# Altium PCB mother board.PcbDoc (part 2 of 2)
Units mm, origin at the board's own origin, x right, y up, seen from the top; angles counter-clockwise.
Board outline 217 x 204.11 mm, 2 copper layers (Top Layer, Bottom Layer), stack 0.971 mm thick; 73 components, 64 nets, 423 pads, 459 vias.
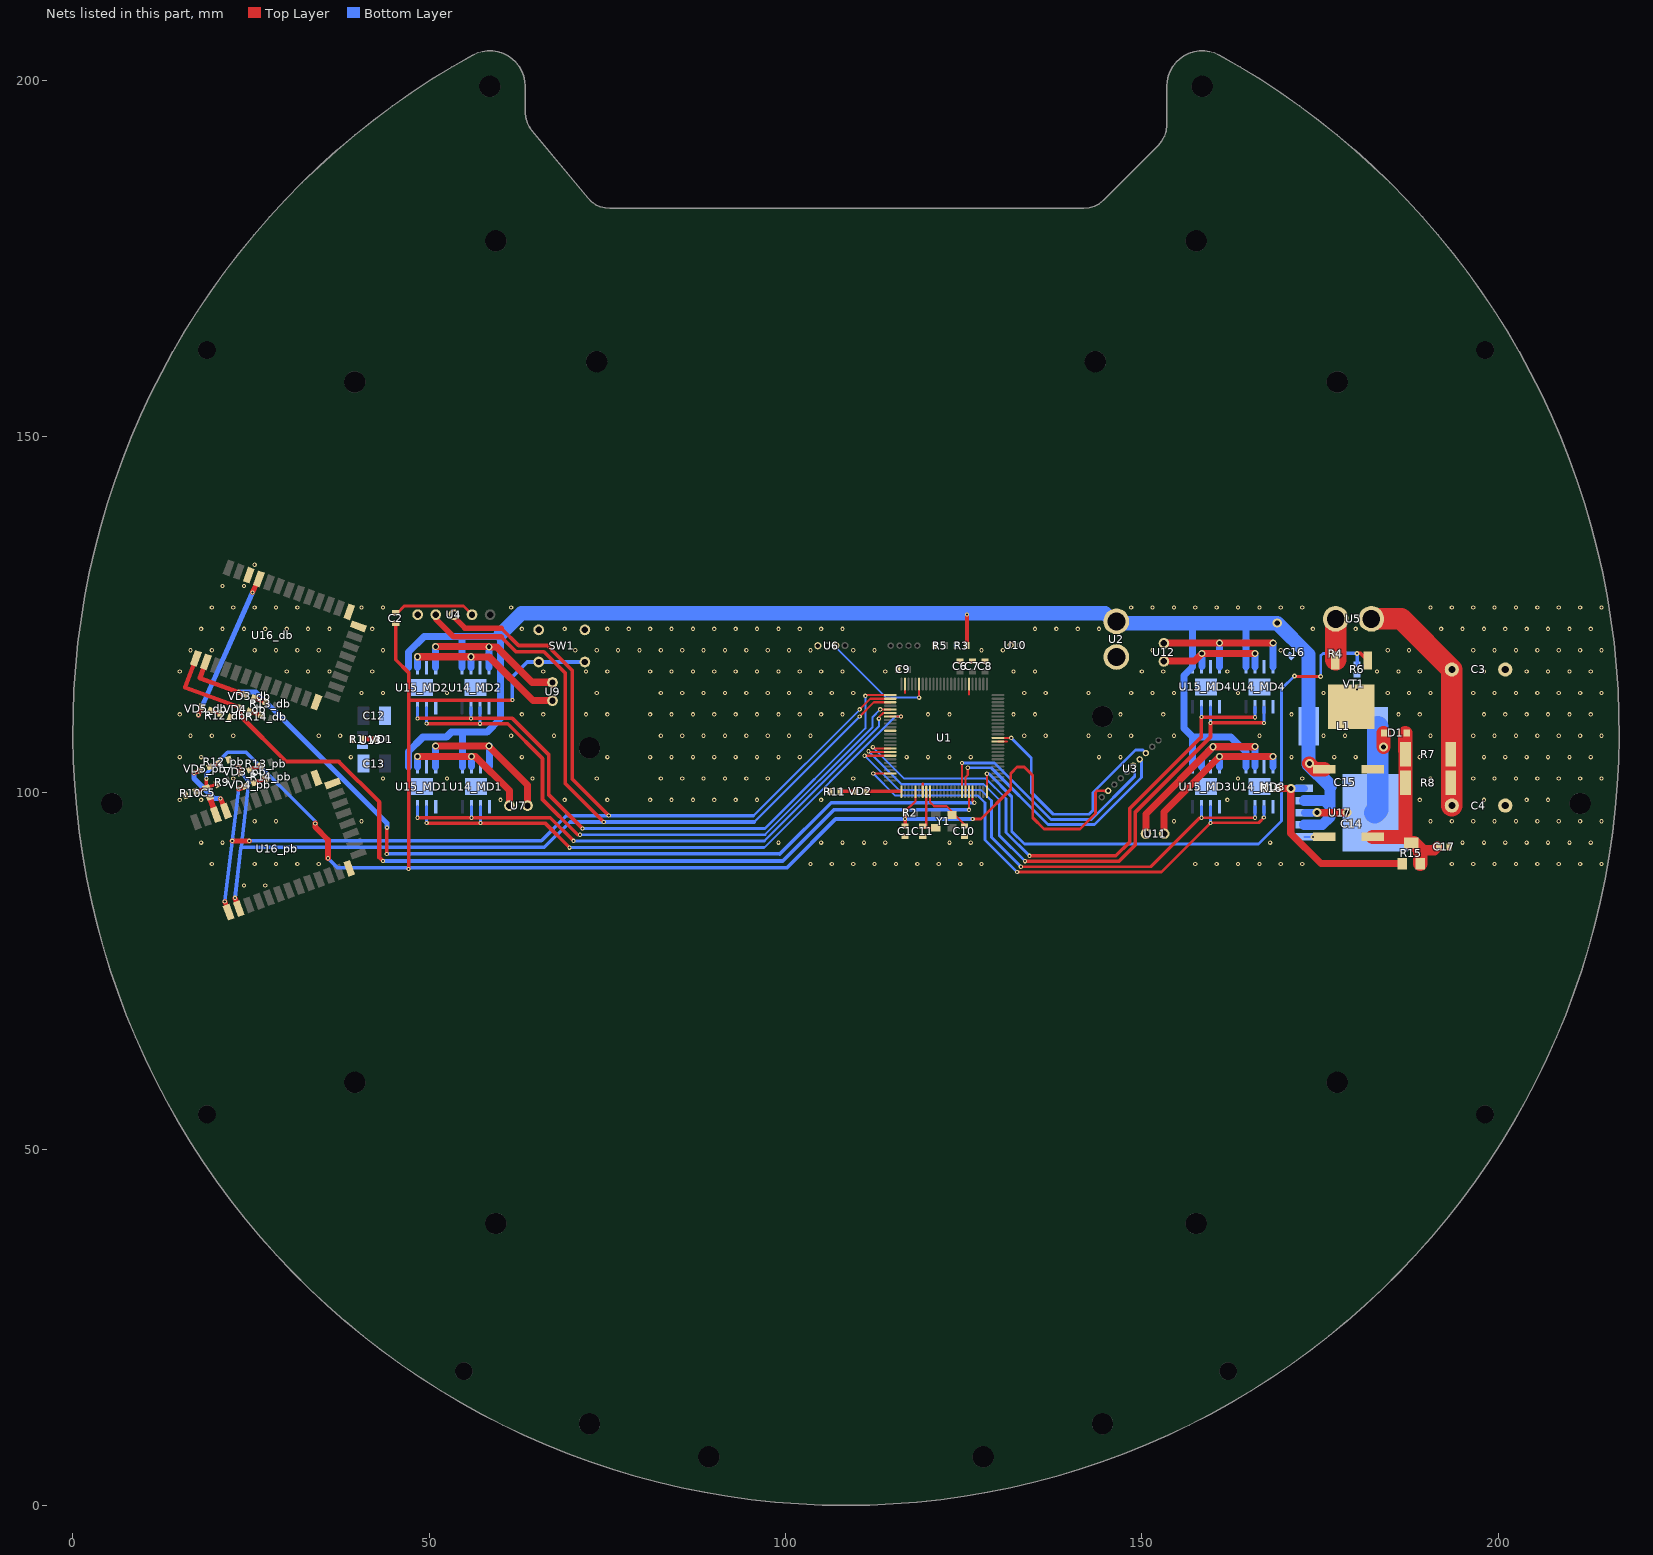
[diagram p2: the nets of this part, all layers, seen from the top]

## Via types
v1: diameter 0.6, hole 0.3, Top Layer to Bottom Layer, tented both sides, 431 vias
v2: diameter 1, hole 0.6, Top Layer to Bottom Layer, tented both sides, 17 vias
v3: diameter 1.27, hole 0.711, Top Layer to Bottom Layer, tented both sides, 6 vias
v4: diameter 0.7, hole 0.3, Top Layer to Bottom Layer, tented both sides, 5 vias

## Nets (pads, with @x,y where several pads share a name; then routed paths per layer and width w, separated by ;. In a path a pad name is that pad's centre, name@x,y a point inside that pad or via, vN(x,y) a via of type N, cw(c..) or ccw(c..) an arc to the next point about the centre after c; other vN are vias at no path point) (continued)
GND: C1.1 C3.2 C4.2 C6.1 C7.1 C8.1 C9.1 C10.1 C11.1 C12.1 C13.1 C14.2 C15.2 C16.2 C17.2 R1.2 R5.1 R6.1 R10.1 R11.2 R12_db.1 R12_pb.1 R16.1 SW1.2 U1.11 U1.32 U1.62 U1.81 U1.99 U2.1 U4.1 U6.4 U10.2 U13.1 U14_MD1.1 U14_MD1.7 U14_MD1.9 U14_MD2.1 U14_MD2.7 U14_MD2.9 U14_MD3.1 U14_MD3.7 U14_MD3.9 U14_MD4.1 U14_MD4.7 U14_MD4.9 U15_MD1.1 U15_MD1.7 U15_MD1.9 U15_MD2.1 U15_MD2.7 U15_MD2.9 U15_MD3.1 U15_MD3.7 U15_MD3.9 U15_MD4.1 U15_MD4.7 U15_MD4.9 U16_db.13 U16_db.21 U16_db.22 U16_pb.13 U16_pb.21 U16_pb.22 U17.1 VT1.3 | length 7.9
  Top Layer w0.3: 116.75,114.021 U1.99@116.75,115.25 ; U1.32@119.25,100.15 119.25,101.313 ; 125.75,113.768 U1.81@125.75,115.25 ; U1.62@129.8,107.2 131.061,107.2 ; v4(174,93.8) C14.2@175.6,93.8
  Bottom Layer w0.3: U17.1@172.8,93.8 v4(174,93.8)
  other v1: 24,87 27,87 19.5,90 25.5,90 28.5,90 31.5,90 34.5,90 103.5,90 106.5,90 109.5,90 112.5,90 115.5,90 118.5,90 121.5,90 124.5,90 127.5,90 157.5,90 160.5,90 163.5,90 166.5,90 169.5,90 172.5,90 193.5,90 196.5,90 199.5,90 202.5,90 205.5,90 208.5,90 211.5,90 214.5,90 18,93 21,93 99,93 105,93 108,93 111,93 114,93 123,93 126,93 168,93 195,93 198,93 201,93 204,93 207,93 210,93 213,93 25.5,96 28.5,96 40.5,96 154.5,96 190.5,96 193.5,96 196.5,96 199.5,96 202.5,96 205.5,96 208.5,96 211.5,96 214.5,96 15,99 18,99 60,99 69,99 75,99 81,99 84,99 87,99 90,99 93,99 96,99 105,99 162,99 189,99 198,99 204,99 207,99 22.5,102 43.5,102 52.5,102 64.5,102 73.5,102 82.5,102 85.5,102 88.5,102 91.5,102 94.5,102 97.5,102 109.5,102 163.5,102 172.5,102 190.5,102 196.5,102 199.5,102 202.5,102 205.5,102 208.5,102 211.5,102 214.5,102 15,105 18,105 39,105 63,105 75,105 81,105 84,105 87,105 90,105 93,105 96,105 99,105 102,105 117,105 120,105 123,105 126,105 144,105 147,105 171,105 177,105 180,105 189,105 198,105 201,105 204,105 207,105 210,105 213,105 16.5,108 19.5,108 22.5,108 34.5,108 37.5,108 61.5,108 67.5,108 82.5,108 85.5,108 88.5,108 91.5,108 94.5,108 97.5,108 100.5,108 103.5,108 133.5,108 136.5,108 142.5,108 145.5,108 148.5,108 154.5,108 166.5,108 175.5,108 178.5,108 190.5,108 196.5,108 199.5,108 202.5,108 205.5,108 208.5,108 211.5,108 214.5,108 15,111 63,111 66,111 72,111 75,111 81,111 84,111 87,111 90,111 93,111 96,111 99,111 102,111 105,111 108,111 120,111 123,111 132,111 135,111 147,111 153,111 171,111 186,111 189,111 198,111 201,111 204,111 207,111 210,111 213,111 40.5,114 43.5,114 52.5,114 73.5,114 82.5,114 85.5,114 88.5,114 91.5,114 94.5,114 97.5,114 100.5,114 103.5,114 106.5,114 109.5,114 133.5,114 136.5,114 142.5,114 148.5,114 151.5,114 154.5,114 163.5,114 175.5,114 184.5,114 187.5,114 190.5,114 196.5,114 199.5,114 202.5,114 205.5,114 208.5,114 211.5,114 214.5,114 15,117 30,117 33,117 36,117 42,117 66,117 72,117 75,117 81,117 84,117 87,117 90,117 93,117 96,117 99,117 102,117 105,117 108,117 114,117 132,117 135,117 150,117 153,117 162,117 183,117 186,117 189,117 198,117 204,117 207,117 210,117 213,117 16.5,120 19.5,120 25.5,120 28.5,120 31.5,120 34.5,120 43.5,120 70.5,120 73.5,120 76.5,120 79.5,120 82.5,120 85.5,120 88.5,120 91.5,120 94.5,120 97.5,120 100.5,120 103.5,120 109.5,120 112.5,120 127.5,120 130.5,120 151.5,120 169.5,120 184.5,120 187.5,120 196.5,120 199.5,120 202.5,120 205.5,120 208.5,120 211.5,120 214.5,120 18,123 21,123 24,123 27,123 30,123 33,123 36,123 42,123 63,123 69,123 75,123 78,123 81,123 84,123 87,123 90,123 93,123 96,123 99,123 102,123 105,123 108,123 135,123 138,123 141,123 144,123 174,123 180,123 192,123 195,123 198,123 201,123 204,123 207,123 210,123 213,123 19.5,126 22.5,126 25.5,126 28.5,126 31.5,126 40.5,126 43.5,126 61.5,126 148.5,126 151.5,126 154.5,126 157.5,126 160.5,126 163.5,126 166.5,126 169.5,126 172.5,126 190.5,126 193.5,126 196.5,126 199.5,126 202.5,126 205.5,126 208.5,126 211.5,126 214.5,126 21,129 24,129 25.5,132
  other v4: 180.2,114.5
IMU_RX: U1.63 U3.8 | length 33.4
  Top Layer w0.3: U1.63@129.8,107.7 v1(131.675,107.7)
  Top Layer w0.4: U3.8@150.569,105.553 U3.8@150.569,105.569
  Bottom Layer w0.4: v1(131.675,107.7) 134.475,104.9 134.475,100.076 137.576,96.975 142.575,96.975 143.15,97.55 143.15,100.025 149.125,106 150.139,106 U3.8@150.569,105.569
IN1_MD1: U1.7 U14_MD1.2 U15_MD1.2 | length 81.7
  Top Layer w0.3: U1.7@114.7,110.7 v1(116.2,110.7)
  Top Layer w0.5: v1(49.635,95.75) v1(57.21,95.75) 66.25,95.75 v1(69.7,92.3)
  Bottom Layer w0.3: 97,92.3 115.4,110.7 v1(116.2,110.7)
  Bottom Layer w0.4: v1(69.7,92.3) 97,92.3
  Bottom Layer w0.45: v1(49.635,95.75) U15_MD1.2@49.635,98.05 ; v1(57.21,95.75) U14_MD1.2@57.21,98.05
IN1_MD2: U1.5 U14_MD2.2 U15_MD2.2 | length 87.2
  Top Layer w0.3: v1(113.3,111.7) U1.5@114.7,111.7
  Top Layer w0.5: v1(49.635,109.705) v1@57.135,109.705 ; v1(57.135,109.7) 61,109.7 65.9,104.8 65.9,99.05 v1@70.85,94.1
  Bottom Layer w0.3: 97.1,94.1 112.2,109.2 112.2,110.6 v1(113.3,111.7)
  Bottom Layer w0.4: v1(71.15,94.1) 97.1,94.1
  Bottom Layer w0.45: v1(49.635,109.705) U15_MD2.2@49.635,111.95 ; v1(57.135,109.7) U14_MD2.2@57.135,111.95
IN1_MD3: U1.23 U14_MD3.2 U15_MD3.2 | length 73
  Top Layer w0.3: v1(112.3,102.7) U1.23@114.7,102.7
  Top Layer w0.4: v1(132.5,88.875) 152.76,88.875 v1(159.635,95.75) 159.69,95.805 159.694,95.8 166.4,95.8 v1(167.125,96.525)
  Bottom Layer w0.3: v1(112.3,102.7) 115.4,99.6 127,99.6 128,98.6
  Bottom Layer w0.4: 128,98.6 128,93.375 v1(132.5,88.875)
  Bottom Layer w0.45: v1(159.635,95.75) U15_MD3.2@159.635,98.05 ; v1(167.125,96.525) 167.125,98.04 U14_MD3.2@167.135,98.05
IN1_MD4: U1.17 U14_MD4.2 U15_MD4.2 | length 84.3
  Top Layer w0.3: v1(111.65,105.825) 111.775,105.7 U1.17@114.7,105.7
  Top Layer w0.4: 146.813,90.413 146.825,90.4
  Top Layer w0.5: v1(133.6,90.4) 146.825,90.4 ; 146.813,90.413 149.1,92.7 149.1,97.3 159.633,107.833 v1(159.633,109.805) 159.638,109.8 v1(167.135,109.8)
  Bottom Layer w0.3: v1(111.65,105.825) 116.275,101.2 127.8,101.2 130,99
  Bottom Layer w0.4: 130,99 130,94 v1(133.6,90.4)
  Bottom Layer w0.45: v1@159.585,109.8 159.635,109.85 U15_MD4.2@159.635,112.05 ; v1(167.135,109.8) U14_MD4.2@167.135,112.05
IN2_MD1: U1.6 U14_MD1.3 U15_MD1.3 | length 79
  Top Layer w0.3: v1(113.1,110.4) 113.1,110.6 113.7,111.2 U1.6@114.7,111.2
  Top Layer w0.5: v1(48.365,96.5) v1(55.94,96.5) 67,96.5 v1(70.25,93.25)
  Bottom Layer w0.3: 97.05,93.25 113.1,109.3 v1(113.1,110.4)
  Bottom Layer w0.4: v1(70.25,93.25) 97.05,93.25
  Bottom Layer w0.45: v1(48.365,96.5) U15_MD1.3@48.365,98.05 ; v1(55.94,96.5) U14_MD1.3@55.94,98.05
IN2_MD2: U1.1 U14_MD2.3 U15_MD2.3 | length 89.5
  Top Layer w0.3: v1(111.2,113.6) 111.3,113.7 U1.1@114.7,113.7
  Top Layer w0.5: v1(48.365,110.425) v1(55.865,110.425) 61.675,110.425 66.8,105.3 66.8,99.675 v1(71.5,94.975)
  Bottom Layer w0.3: 97.1,94.975 97.115,94.975 111.2,109.06 v1(111.2,113.6)
  Bottom Layer w0.4: v1(71.5,94.975) 97.1,94.975
  Bottom Layer w0.45: v1(48.365,110.425) U15_MD2.3@48.365,111.95 ; v1(55.865,110.425) U14_MD2.3@55.865,111.95
IN2_MD3: U1.18 U14_MD3.3 U15_MD3.3 | length 73.8
  Top Layer w0.3: v1(111.1,105.2) U1.18@114.7,105.2
  Top Layer w0.4: v1(133.025,89.625) 151.24,89.625 158.115,96.5 v1(158.365,96.5) v1(165.865,96.5)
  Bottom Layer w0.3: v1(111.1,105.2) 115.9,100.4 127.4,100.4 128.9,98.9
  Bottom Layer w0.4: 128.9,98.9 128.9,93.75 v1(133.025,89.625)
  Bottom Layer w0.45: v1(158.365,96.5) U15_MD3.3@158.365,98.05 ; v1(165.865,96.5) U14_MD3.3@165.865,98.05
IN2_MD4: U1.16 U14_MD4.3 U15_MD4.3 | length 80.7
  Top Layer w0.3: v1@112.237,106.388 v1@112.25,106.375 ; v1(112.25,106.4) v1@112.25,106.375 ; U1.16@114.7,106.2 112.425,106.2 v1@112.25,106.375
  Top Layer w0.5: v1(134.225,91.15) 146.35,91.15 148.3,93.1 148.3,97.8 158.365,107.865 158.365,110.5 v1@158.39,110.5 ; v1@158.39,110.6 v1(165.865,110.6)
  Bottom Layer w0.3: v1(112.25,106.4) 116.675,101.975 128.125,101.975 130.95,99.15
  Bottom Layer w0.4: 130.95,99.15 130.95,94.425 v1(134.225,91.15)
  Bottom Layer w0.45: v1@158.365,110.525 v1(158.365,110.625) U15_MD4.3@158.365,112.05 ; v1@165.865,110.5 v1(165.865,110.6) U14_MD4.3@165.865,112.05
KICK: R4.1 U1.50 | length 81.4
  Top Layer w0.3: U1.50@128.25,100.15 v1(128.25,102.669)
  Top Layer w0.4: v4(171.4,116.4) 171.5,116.3 v4(175.1,116.3)
  Bottom Layer w0.4: v1(128.25,102.669) 128.531,102.669 131.75,99.45 131.75,94.575 133.525,92.8 166.375,92.8 169.6,96.025 169.6,114.6 v4(171.4,116.4) ; v4(175.1,116.3) 175.1,119.25 175.4,119.55 R4.1@176.46,119.55
KICK_VDD: C3.1 C4.1 R7.2 R8.2 U5.1 | length 33.3
  Top Layer w3: U5.1@182.2,124.4 186.4,124.4 C3.1@193.5,117.3 C4.1@193.5,98.2
KICK_VSS: U5.2 VT1.2 | length 5.8
  Top Layer w3: VT1.2@177.2,118.64 U5.2@177.2,124.4
LED13: U1.26 VD2.1 | length 5
  Top Layer w0.4: U1.26@116.15,100.2 U1.26@116.2,100.15
  Top Layer w0.5: VD2.1@111.2,100.2 U1.26@116.15,100.2
NetC2_1: C2.1 U4.4 | length 11.6
  Top Layer w0.4: C2.1@45.3,125.24 45.54,125.24 46.5,126.2 54.8,126.2 U4.4@56,125
NetC5_1: C5.1 U16_pb.32 | length 2.7
  Top Layer w0.8: C5.1@19.214,99.367 U16_pb.32@20.064,96.948 U16_pb.32@20.064,97.101
NetD1_1: D1.1 L1.2 U17.3 | length 20.2
  Top Layer w1: v3(174.6,97.2) v3(178.8,97.2)
  Top Layer w2: v3(183.9,106.45) D1.1@183.9,108.4
  Bottom Layer w1: U17.3@172.8,97.2 v3(174.6,97.2)
  Bottom Layer w3: U17.3@182.7,97.2 183.1,97.6 L1.2@183.1,109.3
NetR1_1: R1.1 VD1.2 | length 2
  Top Layer w0.7: R1.1@40.592,107.52 VD1.2@42.567,107.52
NetR4_2: R4.2 R6.2 VT1.1 | length 5.7
  Top Layer w0.5: v4(180.2,119.56) 180.68,119.56 VT1.1@181.69,118.55
  Bottom Layer w0.5: R4.2@177.94,119.55 180.19,119.55 v4(180.2,119.56) R6.2@180.2,118.04
NetR11_1: R11.1 VD2.2 | length 2.2
  Top Layer w0.5: R11.1@107.58,100.2 VD2.2@109.8,100.2
NetR12_db_2: R12_db.2 VD5_db.2 | length 1.4
  Top Layer w0.5: VD5_db.2@19.38,111.561 R12_db.2@20.705,111.078
NetR12_pb_2: R12_pb.2 VD5_pb.2 | length 1.4
  Top Layer w0.5: VD5_pb.2@19.208,103.632 R12_pb.2@20.5,104.118
NetR13_db_2: R13_db.2 VD3_db.2 | length 1.7
  Top Layer w0.7: VD3_db.2@25.456,113.306 R13_db.2@27.028,112.724
NetR13_pb_2: R13_pb.2 VD3_pb.2 | length 1.7
  Top Layer w0.7: VD3_pb.2@24.808,103.214 R13_pb.2@26.362,103.786
NetR14_db_2: R14_db.2 VD4_db.2 | length 1.7
  Top Layer w0.7: VD4_db.2@24.808,111.472 R14_db.2@26.405,110.889
NetR14_pb_2: R14_pb.2 VD4_pb.2 | length 1.7
  Top Layer w0.7: VD4_pb.2@25.475,101.386 R14_pb.2@27.037,101.961
NetR15_1: R15.1 R16.2 U17.5 | length 27.4
  Top Layer w1: R16.2@169.14,100.6 v3(170.9,100.6) 170.9,94.3 175.148,90.052 R15.1@186.55,90.052
  Bottom Layer w1: v3(170.9,100.6) U17.5@172.8,100.6
NetU16_db_31: U16_db.31 VD5_db.1 | length 22.7
  Top Layer w0.7: v1(17.6,110.9) VD5_db.1@18.064,112.039 ; v1(25.2,128.1) U16_db.31@26.09,130.013 26.09,129.757 U16_db.31@25.9,129.567
  Bottom Layer w0.7: v1(17.6,110.9) v1(25.2,128.1)
NetU16_db_32: U16_db.32
NetU16_pb_31: U16_pb.31 VD5_pb.1 | length 8.5
  Top Layer w0.7: v1(17,102.8) VD5_pb.1@17.892,103.153 ; v1(20.705,99.2) U16_pb.31@21.473,97.461
  Bottom Layer w0.7: v1(17,102.8) 17,102 19.8,99.2 v1(20.705,99.2)
OUT1_MD1: U7.1 U14_MD1.6 U15_MD1.6 | length 19.9
  Top Layer w1: v2@48.38,105.1 56.455,105.1 61.255,100.3 U7.1@61.255,98.2
  Bottom Layer w0.45: U14_MD1.6@55.932,103.65 U14_MD1.6@55.94,103.658
  Bottom Layer w1: U15_MD1.6@48.365,103.65 v2(48.365,105.085) ; U14_MD1.6@55.94,103.658 v2(55.94,105.1)
OUT1_MD2: U9.1 U14_MD2.6 U15_MD2.6 | length 24.5
  Top Layer w1: v2(48.365,119.077) v2(55.857,119.077) ; v2@55.857,119.075 58.403,119.075 64.548,112.93 U9.1@67.3,112.93
  Bottom Layer w1: U15_MD2.6@48.365,117.55 v2(48.365,119.077) ; U14_MD2.6@55.857,117.55 v2(55.857,119.077)
OUT1_MD3: U11.1 U14_MD3.6 U15_MD3.6 | length 28.3
  Top Layer w1: U11.1@150.58,94.25 150.58,97.03 v2(160,106.45) 165.85,106.45 v2(165.875,106.475)
  Bottom Layer w0.45: U14_MD3.6@165.865,103.65 U14_MD3.6@165.875,103.66
  Bottom Layer w1: U15_MD3.6@158.365,103.65 158.365,104.815 v2(160,106.45) ; U14_MD3.6@165.875,103.66 v2@165.875,106.45
OUT1_MD4: U12.1 U14_MD4.6 U15_MD4.6 | length 17.1
  Top Layer w0.45: v2@158.425,119.5 158.425,119.545 v2@158.43,119.55
  Top Layer w1: U12.1@153.1,118.43 153.17,118.5 157.375,118.5 v2(158.425,119.55) ; v2@158.43,119.55 v2(165.865,119.55)
  Bottom Layer w0.45: U15_MD4.6@158.365,117.65 U15_MD4.6@158.425,117.71 ; v2@158.365,119.56 v2@158.425,119.5
  Bottom Layer w1: U15_MD4.6@158.425,117.71 v2@158.425,119.5 ; U14_MD4.6@165.865,117.65 v2@165.865,119.5
OUT2_MD1: U7.2 U14_MD1.8 U15_MD1.8 | length 23.8
  Top Layer w1: v2(50.9,106.56) 58.34,106.56 63.795,101.105 U7.2@63.795,98.2
  Bottom Layer w0.45: U15_MD1.8@50.9,103.655 U15_MD1.8@50.905,103.65
  Bottom Layer w1: U15_MD1.8@50.9,103.655 v2(50.9,106.56) ; U14_MD1.8@58.475,103.678 v2@58.475,106.55
  other v2: 58.375,106.55
OUT2_MD2: U9.2 U14_MD2.8 U15_MD2.8 | length 24.3
  Top Layer w1: v2(50.905,120.5) v2@58.375,120.5 ; v2(58.397,120.478) 59.447,120.478 64.425,115.5 U9.2@67.3,115.5
  Bottom Layer w1: U15_MD2.8@50.905,117.55 v2(50.905,120.5) ; U14_MD2.8@58.397,117.55 v2(58.397,120.478)
OUT2_MD3: U11.2 U14_MD3.8 U15_MD3.8 | length 24.4
  Top Layer w1: U11.2@153.12,94.25 153.12,97.295 153.75,97.925 153.75,97.92 v2(160.905,105.075) v2(168.405,105.075)
  Bottom Layer w0.45: v2(168.405,105.075) v2@168.405,105.1
  Bottom Layer w1: U15_MD3.8@160.905,103.65 v2@160.905,105.05 ; U14_MD3.8@168.405,103.65 v2(168.405,105.075)
OUT2_MD4: U12.2 U14_MD4.8 U15_MD4.8 | length 22.1
  Top Layer w1: U12.2@153.1,120.97 153.13,121 v2(160.9,121) v2(168.425,121)
  Bottom Layer w0.45: U15_MD4.8@160.875,117.68 U15_MD4.8@160.905,117.65 ; U14_MD4.8@168.405,117.65 168.4,117.655 U14_MD4.8@168.425,117.68 ; v2(168.425,121) v2@168.425,121.075
  Bottom Layer w1: U15_MD4.8@160.9,117.68 v2(160.9,121) ; U14_MD4.8@168.425,117.68 v2(168.425,121)
RESET: C1.2 C2.2 C5.2 R2.1 R9.1 R10.2 SW1.1 U1.30 U3.2 | length 229.6
  Top Layer w0.3: R2.1@116.77,97.1 116.77,97.36 118.25,98.84 U1.30@118.25,100.15
  Top Layer w0.4: v1(126.255,96.32) 127.42,96.32 131.6,100.5 131.6,102.7 132.5,103.6 133.5,103.6 134.7,102.4 134.7,96.493 136.293,94.9 141.307,94.9 143.481,97.073 143.481,100.057 143.706,100.282 144.755,100.282 144.773,100.264 145.264,100.264 U3.2@145.264,100.281
  Top Layer w0.5: R10.2@17.183,100.139 R10.2@17.22,100.153 C5.2@18.735,100.683 ; v1(18.736,101.975) C5.2@18.736,100.683 ; R9.1@20.292,101.236 R9.1@20.255,101.222 18.737,100.683 C5.2@18.736,100.683 ; C2.2@45.3,123.76 45.3,118.675 47.1,116.875 47.1,113 ; v1(47.1,89.3) 47.1,113 ; v1(61.675,113) 47.1,113 ; C1.2@116.77,95.32 C1.2@116.77,95.34 v1(116.77,96.32) R2.1@116.77,97.1
  Top Layer w0.8: v1(34,95.7) 34,95.181 35.8,93.381 v1(35.8,90.8)
  Bottom Layer w0.5: v1(18.736,101.975) 18.736,102.736 21.7,105.7 24.3,105.7 34,96 v1(34,95.7) ; v1(35.8,90.8) 37.15,89.45 100.15,89.45 107.02,96.32 v1(116.77,96.32) v1(126.255,96.32) ; v1(61.675,113) 61.675,116.275 63.75,118.35 SW1.1@65.35,118.35 SW1.1@71.85,118.35
RX: U1.2 U4.3 U16_pb.1 VD4_pb.1 | length 161.7
  Top Layer w0.3: v1(110.4,111.7) 111.9,113.2 U1.2@114.7,113.2
  Top Layer w0.5: U4.3@53.46,124.64 U4.3@53.46,125 ; 60.1,123.1 62.54,120.66 66.54,120.66 70.1,117.1 70.1,101.9 v1(75.2,96.8)
  Top Layer w0.7: v1(21.312,84.736) U16_pb.1@21.862,83.236 ; v1(22.358,93.25) v1(24.75,93.25)
  Top Layer w0.8: v1(23.259,100.582) VD4_pb.1@24.159,100.907 ; U4.3@53.46,124.64 55,123.1 60.1,123.1
  Bottom Layer w0.3: 95.5,96.75 110.4,111.65 v1(110.4,111.7)
  Bottom Layer w0.5: v1(21.312,84.736) v1(22.358,93.25) v1(23.259,100.582) ; v1(24.75,93.25) 65.75,93.25 69.25,96.75 95.5,96.75
RX1: U1.45 U16_db.1 VD4_db.1 | length 134.5
  Top Layer w0.3: v1(125.75,97.6) U1.45@125.75,100.15
  Top Layer w0.6: U16_db.1@17.245,118.866 15.75,114.775 VD4_db.1@23.492,111.951 23.492,110.808 29.903,104.397 ; 29.903,104.394 37.289,104.394 43,98.683 43,90.925 v1(43.5,90.425)
  Bottom Layer w0.5: v1(43.5,90.425) 99.625,90.425 106.8,97.6 v1(125.75,97.6)
SCL: U1.43 U3.6 | length 35.6
  Top Layer w0.3: U1.43@124.75,100.15 v1(124.75,104.175)
  Bottom Layer w0.4: v1(124.75,104.175) 129.325,104.175 137.25,96.25 142.925,96.25 149,102.325 149,103.6 U3.6@148.8,103.8
SDA: U1.44 U3.7 | length 36.5
  Top Layer w0.3: U1.44@125.25,100.15 125.25,102.175 125.575,102.5 v1(125.575,103.5)
  Bottom Layer w0.4: v1(125.575,103.5) 128.875,103.5 136.825,95.55 143.35,95.55 149.95,102.15 149.95,104.375 U3.7@149.662,104.663
TRIGGER: U1.95 U6.2 | length 16.7
  Top Layer w0.3: v1(118.75,113.35) U1.95@118.75,115.25
  Bottom Layer w0.3: U6.2@107.07,120.65 107.07,120.43 114.15,113.35 v1(118.75,113.35)
TX: U1.3 U4.2 U16_pb.2 VD3_pb.1 | length 166
  Top Layer w0.3: v1(110.4,110.7) 112.4,112.7 U1.3@114.7,112.7
  Top Layer w0.5: U4.2@50.92,124.38 U4.2@50.92,125 ; 60.078,121.9 62.178,119.8 66.1,119.8 69.1,116.8 69.1,101.3 v1(74.5,95.9)
  Top Layer w0.7: v1(22.746,85.249) U16_pb.2@23.271,83.749
  Top Layer w0.8: v1(23.192,103.561) VD3_pb.1@23.492,102.736 ; U4.2@50.92,124.38 53.4,121.9 60.078,121.9
  Bottom Layer w0.3: v1@23.175,103.409 v1(23.192,103.561) ; 23.583,92.25 23.595,92.35 23.583,92.35 ; 95.6,95.9 v1(110.4,110.7)
  Bottom Layer w0.5: v1(22.746,85.249) 23.583,92.25 ; v1@23.175,103.409 24.688,101.5 23.595,92.35 66.125,92.35 69.739,95.86 ; 69.778,95.9 95.6,95.9
TX1: U1.46 U16_db.2 VD3_db.1 | length 129.1
  Top Layer w0.3: v1(44.039,91.414) v1@44.064,91.439 ; U1.46@126.25,100.15 126.25,98.75 126.45,98.55 v1@126.5,98.5
  Top Layer w0.5: v1@44.064,91.439 v1(44.064,95.1)
  Top Layer w0.7: U16_db.2@18.654,118.353 17.85,116.075 v1(23.25,114.109) VD3_db.1@24.14,113.785
  Bottom Layer w0.5: v1(44.039,91.414) 99.186,91.414 99.2,91.4 106.4,98.6 v1(126.5,98.6)
  Bottom Layer w0.7: v1(23.25,114.109) 25.691,114.109 44.064,95.736 v1(44.064,95.1)
VMotor_MD1: C15.1 C16.1 L1.1 R3.2 U2.2 U14_MD1.5 U14_MD2.5 U14_MD3.5 U14_MD4.5 U15_MD1.5 U15_MD2.5 U15_MD3.5 U15_MD4.5 U17.2 U17.4 | length 247
  Top Layer w0.6: R3.2@125.39,120.65 R3.2@125.4,120.66 ; R3.2@125.45,120.66 v1(125.45,125)
  Top Layer w2: v3(173.5,104.1) 174.3,103.3 C15.1@175.6,103.3
  Bottom Layer w1: U15_MD1.5@47.095,103.65 47.095,105.795 49.1,107.8 52.4,107.8 53.1,108.5 58.095,108.5 60.02,110.425 60,110.425 60,121.9 54.587,121.9 ; U15_MD2.5@47.095,117.55 47.095,119.73 49.265,121.9 54.587,121.9 ; U14_MD2.5@54.587,117.55 54.587,121.9 ; U14_MD1.5@54.662,103.65 54.662,108.125 ; U15_MD3.5@157.095,103.65 157.095,107.8 ; 157.095,123.795 U15_MD4.5@157.095,117.65 155.9,116.455 155.9,109.05 157.095,107.855 157.095,107.8 ; U14_MD3.5@164.595,103.65 164.595,105.715 162.51,107.8 157.095,107.8 ; U14_MD4.5@164.595,117.65 164.595,123.795 164.6,123.8
  Bottom Layer w1.5: U17.2@172.8,95.5 175.3,95.5 176.4,96.6 176.4,98.1 ; U17.4@172.8,98.9 175.6,98.9 176.4,98.1 ; 176.4,101 176.4,98.1
  Bottom Layer w2: 60,122.25 62.95,125.2 125.7,125.2 144.825,125.2 146.425,123.6 146.625,123.6 146.82,123.795 157.095,123.795 ; 157.095,123.8 164.6,123.8 v3(169,123.8) 173.4,119.4 L1.1@173.4,109.3 173.4,104 176.4,101
VOUT: C14.1 C17.1 D1.2 R7.1 R8.1 R15.2 R15.3 | length 26.7
  Top Layer w1.5: 186.952,93.8 187.012,93.74 R15.2@187.8,92.952 ; 189.05,91.95 191.02,91.95 C17.1@191.47,92.4
  Top Layer w2: C14.1@182.4,93.8 186.952,93.8 ; D1.2@186.975,108.4 186.975,105.937 187.012,105.9 R7.1@187.012,105.4 R8.1@187.012,101.4 R15.2@187.012,93.74 ; R15.2@187.8,92.952 188.148,92.952 189.1,92 189.05,91.95 R15.3@189.05,90.052
XTAL1: C10.2 U1.34 Y1.1 | length 8.1
  Top Layer w0.3: U1.34@120.25,100.15 120.25,98.7 120.85,98.1 122.6,98.1 125.1,95.6 C10.2@125.1,95.08
XTAL2: C11.2 U1.33 Y1.2 | length 6.9
  Top Layer w0.3: C11.2@119.25,95.08 C11.2@119.7,95.08 ; U1.33@119.75,100.15 119.75,95.13 C11.2@119.7,95.08 ; Y1.2@121.063,95.09 121.053,95.08 C11.2@119.7,95.08
pads on no net: C14. C15. U1.4 U1.8 U1.9 U1.12 U1.13 U1.14 U1.15 U1.19 U1.20 U1.21 U1.22 U1.24 U1.25 U1.27 U1.28 U1.29 U1.35 U1.36 U1.37 U1.38 U1.39 U1.40 U1.41 U1.42 U1.47 U1.48 U1.49 U1.51 U1.52 U1.53 U1.54 U1.55 U1.56 U1.64 U1.65 U1.66 U1.67 U1.68 U1.69 U1.70 U1.71 U1.72 U1.73 U1.74 U1.76 U1.77 U1.78 U1.79 U1.82 U1.83 U1.84 U1.85 U1.87 U1.92 U1.93 U1.96 U1.97 U16_db.3 U16_db.4 U16_db.5 U16_db.6 U16_db.7 U16_db.8 U16_db.9 U16_db.10 U16_db.11 U16_db.14 U16_db.15 U16_db.16 U16_db.17 U16_db.18 U16_db.19 U16_db.20 U16_db.23 U16_db.24 U16_db.25 U16_db.26 U16_db.27 U16_db.28 U16_db.29 U16_db.30 U16_db.33 U16_db.34 U16_pb.3 U16_pb.4 U16_pb.5 U16_pb.6 U16_pb.7 U16_pb.8 U16_pb.9 U16_pb.10 U16_pb.11 U16_pb.14 U16_pb.15 U16_pb.16 U16_pb.17 U16_pb.18 U16_pb.19 U16_pb.20 U16_pb.23 U16_pb.24 U16_pb.25 U16_pb.26 U16_pb.27 U16_pb.28 U16_pb.29 U16_pb.30 U16_pb.33 U16_pb.34 VT1. Y1.

## Polygon pours and split planes (outlines as drawn)
GND on Bottom Layer "bottom gnd" (solid, pour order 0): 201.251,127.632 21.243,135 14,116 14,99.382 23.767,71.898 199.989,87.521 219.95,87.521 217.914,127.632
GND on Top Layer "top gnd" (solid, pour order 4): 201.251,127.632 21.243,135 14,116 14,99.382 23.767,71.898 199.989,87.521 219.95,87.521 217.914,127.632

## Keep-outs
Keep-Out Layer:
  lines w0.5: -0.013,107.768 0.016,111.095 0.147,114.419 0.379,117.739 0.713,121.049 1.149,124.348 1.685,127.632 2.322,130.897 3.059,134.142 3.894,137.363 4.829,140.556 5.86,143.719 6.988,146.85 8.212,149.944 9.53,152.999 10.941,156.012 12.444,158.981 14.037,161.902 15.719,164.773 17.488,167.591 19.342,170.353 21.281,173.058 23.301,175.701 25.402,178.282 27.581,180.796 29.836,183.243 32.165,185.62 34.565,187.924 37.035,190.153 39.572,192.305 42.175,194.379 44.839,196.372 47.563,198.282 50.345,200.108 53.181,201.847 56.07,203.499 56.743,203.808 57.454,204.014 58.187,204.113 58.928,204.102 59.658,203.982 60.363,203.755 61.027,203.427 61.635,203.005 62.174,202.497 62.632,201.915 62.999,201.272 63.267,200.582 63.43,199.86 63.485,199.121 63.485,195.448 63.545,194.757 63.724,194.086 64.016,193.457 64.412,192.887 72.286,183.439 72.779,182.943 73.351,182.54 73.985,182.243 74.661,182.061 75.359,182 141.828,182 142.609,182.077 143.359,182.304 144.05,182.674 144.657,183.172 152.313,190.828 152.811,191.435 153.181,192.126 153.408,192.876 153.485,193.657 153.485,199.121 153.54,199.86 153.703,200.582 153.971,201.272 154.338,201.915 154.796,202.497 155.335,203.005 155.943,203.427 156.607,203.755 157.312,203.982 158.042,204.102 158.783,204.113 159.516,204.014 160.228,203.808 160.9,203.499 163.789,201.847 166.625,200.108 169.407,198.282 172.131,196.372 174.795,194.379 177.398,192.305 179.935,190.153 182.405,187.924 184.806,185.62 187.134,183.243 189.389,180.796 191.568,178.282 193.669,175.701 195.689,173.058 197.628,170.353 199.482,167.591 201.251,164.773 202.933,161.902 204.526,158.981 206.029,156.012 207.44,152.999 208.758,149.944 209.982,146.85 211.11,143.719 212.141,140.556 213.076,137.363 213.911,134.142 214.648,130.897 215.285,127.632 215.821,124.348 216.257,121.049 216.591,117.739 216.823,114.419 216.954,111.095 216.983,107.768 216.909,104.441 216.734,101.118 216.456,97.803 216.078,94.497 215.598,91.204 215.017,87.928 214.336,84.671 213.556,81.437 212.676,78.228 211.699,75.047 210.625,71.898 209.455,68.784 208.189,65.706 206.83,62.669 205.379,59.675 203.836,56.727 202.204,53.828 200.483,50.98 198.676,48.186 196.784,45.449 194.81,42.771 192.754,40.155 190.618,37.603 188.406,35.118 186.118,32.702 183.757,30.357 181.326,28.086 178.826,25.89 176.26,23.772 173.63,21.734 170.939,19.777 168.189,17.904 165.383,16.116 162.523,14.414 159.613,12.802 156.655,11.279 153.651,9.848 150.605,8.509 147.519,7.265 144.396,6.115 141.24,5.062 138.053,4.107 134.838,3.249 131.599,2.49 128.337,1.832 125.057,1.273 121.761,0.815 118.453,0.459 115.136,0.204 111.812,0.051 108.485,0 105.158,0.051 101.834,0.204 98.517,0.459 95.209,0.815 91.913,1.273 88.633,1.832 85.371,2.49 82.132,3.249 78.917,4.107 75.73,5.062 72.574,6.115 69.451,7.265 66.365,8.509 63.319,9.848 60.315,11.279 57.357,12.802 54.447,14.414 51.587,16.116 48.781,17.904 46.031,19.777 43.34,21.734 40.71,23.772 38.144,25.89 35.644,28.086 33.213,30.357 30.852,32.702 28.564,35.118 26.352,37.603 24.217,40.155 22.16,42.771 20.186,45.449 18.294,48.186 16.487,50.98 14.766,53.828 13.134,56.727 11.591,59.675 10.14,62.669 8.781,65.706 7.515,68.784 6.345,71.898 5.271,75.047 4.294,78.228 3.414,81.437 2.634,84.671 1.953,87.928 1.372,91.204 0.892,94.497 0.514,97.803 0.236,101.118 0.061,104.441 -0.013,107.768 ; 15.468,140.194 15.505,139.413 15.663,138.647 15.939,137.915 16.326,137.236 16.814,136.624 17.391,136.097 18.043,135.666 18.755,135.341 40.016,127.603 41.13,127.27 42.275,127.068 43.436,127 200.267,127 200.923,127.054 201.561,127.215 202.164,127.478 202.715,127.837 203.201,128.281 203.607,128.798 203.923,129.375 204.139,129.997 204.252,130.645 204.256,131.303 204.152,131.952 203.265,135.314 202.26,138.641 201.138,141.932 199.901,145.18 198.549,148.383 198.128,149.204 197.614,149.97 197.016,150.673 196.341,151.302 195.598,151.849 194.797,152.307 193.949,152.669 193.064,152.932 192.156,153.091 191.234,153.144 178.171,153.144 177.126,153.212 176.1,153.417 175.109,153.753 174.171,154.216 173.3,154.797 172.514,155.487 167.344,160.657 166.557,161.347 165.687,161.928 164.749,162.391 163.758,162.727 162.731,162.932 161.687,163 151.985,163 151.54,162.95 151.117,162.802 150.738,162.564 150.421,162.247 150.183,161.868 150.035,161.445 149.985,161 149.985,160.5 149.924,159.805 149.744,159.132 149.449,158.5 149.049,157.929 148.556,157.436 147.985,157.036 147.353,156.741 146.68,156.561 145.985,156.5 140.985,156.5 140.29,156.561 139.617,156.741 138.985,157.036 138.414,157.436 137.921,157.929 137.521,158.5 137.226,159.132 137.046,159.805 136.985,160.5 136.985,166 136.924,166.695 136.744,167.368 136.449,168 136.049,168.571 135.556,169.064 134.985,169.464 134.353,169.759 133.68,169.939 132.985,170 83.985,170 83.29,169.939 82.617,169.759 81.985,169.464 81.414,169.064 80.921,168.571 80.521,168 80.226,167.368 80.046,166.695 79.985,166 79.985,160.5 79.924,159.805 79.744,159.132 79.449,158.5 79.049,157.929 78.556,157.436 77.985,157.036 77.353,156.741 76.68,156.561 75.985,156.5 70.985,156.5 70.29,156.561 69.617,156.741 68.985,157.036 68.414,157.436 67.921,157.929 67.521,158.5 67.226,159.132 67.046,159.805 66.985,160.5 66.985,161 66.935,161.445 66.787,161.868 66.549,162.247 66.232,162.564 65.853,162.802 65.43,162.95 64.985,163 55.283,163 54.239,162.932 53.212,162.727 52.221,162.391 51.283,161.928 50.413,161.347 49.626,160.657 44.456,155.487 43.67,154.797 42.799,154.216 41.861,153.753 40.87,153.417 39.844,153.212 38.799,153.144 25.736,153.144 24.814,153.091 23.906,152.932 23.021,152.669 22.173,152.307 21.372,151.849 20.629,151.302 19.954,150.673 19.356,149.97 18.842,149.204 18.421,148.383 17.029,145.079 15.758,141.727 15.553,140.972 15.468,140.194 ; 16.205,75.33 16.209,74.609 16.316,73.895 16.526,73.205 18.421,68.617 18.842,67.796 19.356,67.029 19.954,66.327 20.629,65.698 21.372,65.151 22.173,64.693 23.021,64.331 23.906,64.068 24.814,63.909 25.736,63.856 38.799,63.856 39.844,63.788 40.87,63.583 41.861,63.247 42.799,62.784 43.67,62.203 44.456,61.513 61.498,44.471 62.188,43.685 62.769,42.814 63.232,41.876 63.568,40.885 63.773,39.859 63.841,38.814 63.841,25.751 63.894,24.829 64.053,23.921 64.316,23.036 64.678,22.188 65.136,21.387 65.683,20.644 66.312,19.969 67.015,19.371 67.781,18.857 68.602,18.436 71.754,17.105 74.951,15.884 78.188,14.775 81.461,13.78 84.767,12.898 88.102,12.132 91.462,11.482 94.842,10.949 98.238,10.534 101.647,10.238 105.064,10.059 108.485,10 111.906,10.059 115.323,10.238 118.732,10.534 122.128,10.949 125.508,11.482 128.868,12.132 132.203,12.898 135.509,13.78 138.782,14.775 142.019,15.884 145.216,17.105 148.368,18.436 149.189,18.857 149.956,19.371 150.658,19.969 151.287,20.644 151.834,21.387 152.292,22.188 152.654,23.036 152.917,23.921 153.076,24.829 153.129,25.751 153.129,38.814 153.197,39.859 153.402,40.885 153.738,41.876 154.201,42.814 154.782,43.685 155.472,44.471 172.514,61.513 173.3,62.203 174.171,62.784 175.109,63.247 176.1,63.583 177.126,63.788 178.171,63.856 191.234,63.856 192.156,63.909 193.064,64.068 193.949,64.331 194.797,64.693 195.598,65.151 196.341,65.698 197.016,66.327 197.614,67.029 198.128,67.796 198.549,68.617 200.023,72.127 201.361,75.692 202.559,79.306 203.617,82.963 203.736,83.618 203.744,84.284 203.641,84.942 203.431,85.574 203.119,86.162 202.714,86.69 202.227,87.144 201.671,87.51 201.062,87.78 200.417,87.945 199.754,88 44.064,88 42.903,87.932 41.758,87.73 40.644,87.397 19.484,79.695 18.825,79.4 18.216,79.014 17.669,78.544 17.196,78 16.805,77.393 16.506,76.737 16.305,76.044 16.205,75.33 ; 76.485,98 79.485,98 79.485,119 76.485,119 76.485,98 ; 137.485,98 140.485,98 140.485,119 137.485,119 137.485,98

## Silkscreen, mask and mechanical layers (free items; w line width, h text height)
Top Overlay:
  text "DOT." at 81.7,106.1 h15
  text "PWR" at 42.525,105.775 h1.52 r270
  text "DOT. / ver1" at 205.3,104.4 h5